# KiCad board rev6.0_flat_powerstage.kicad_pcb (continued)
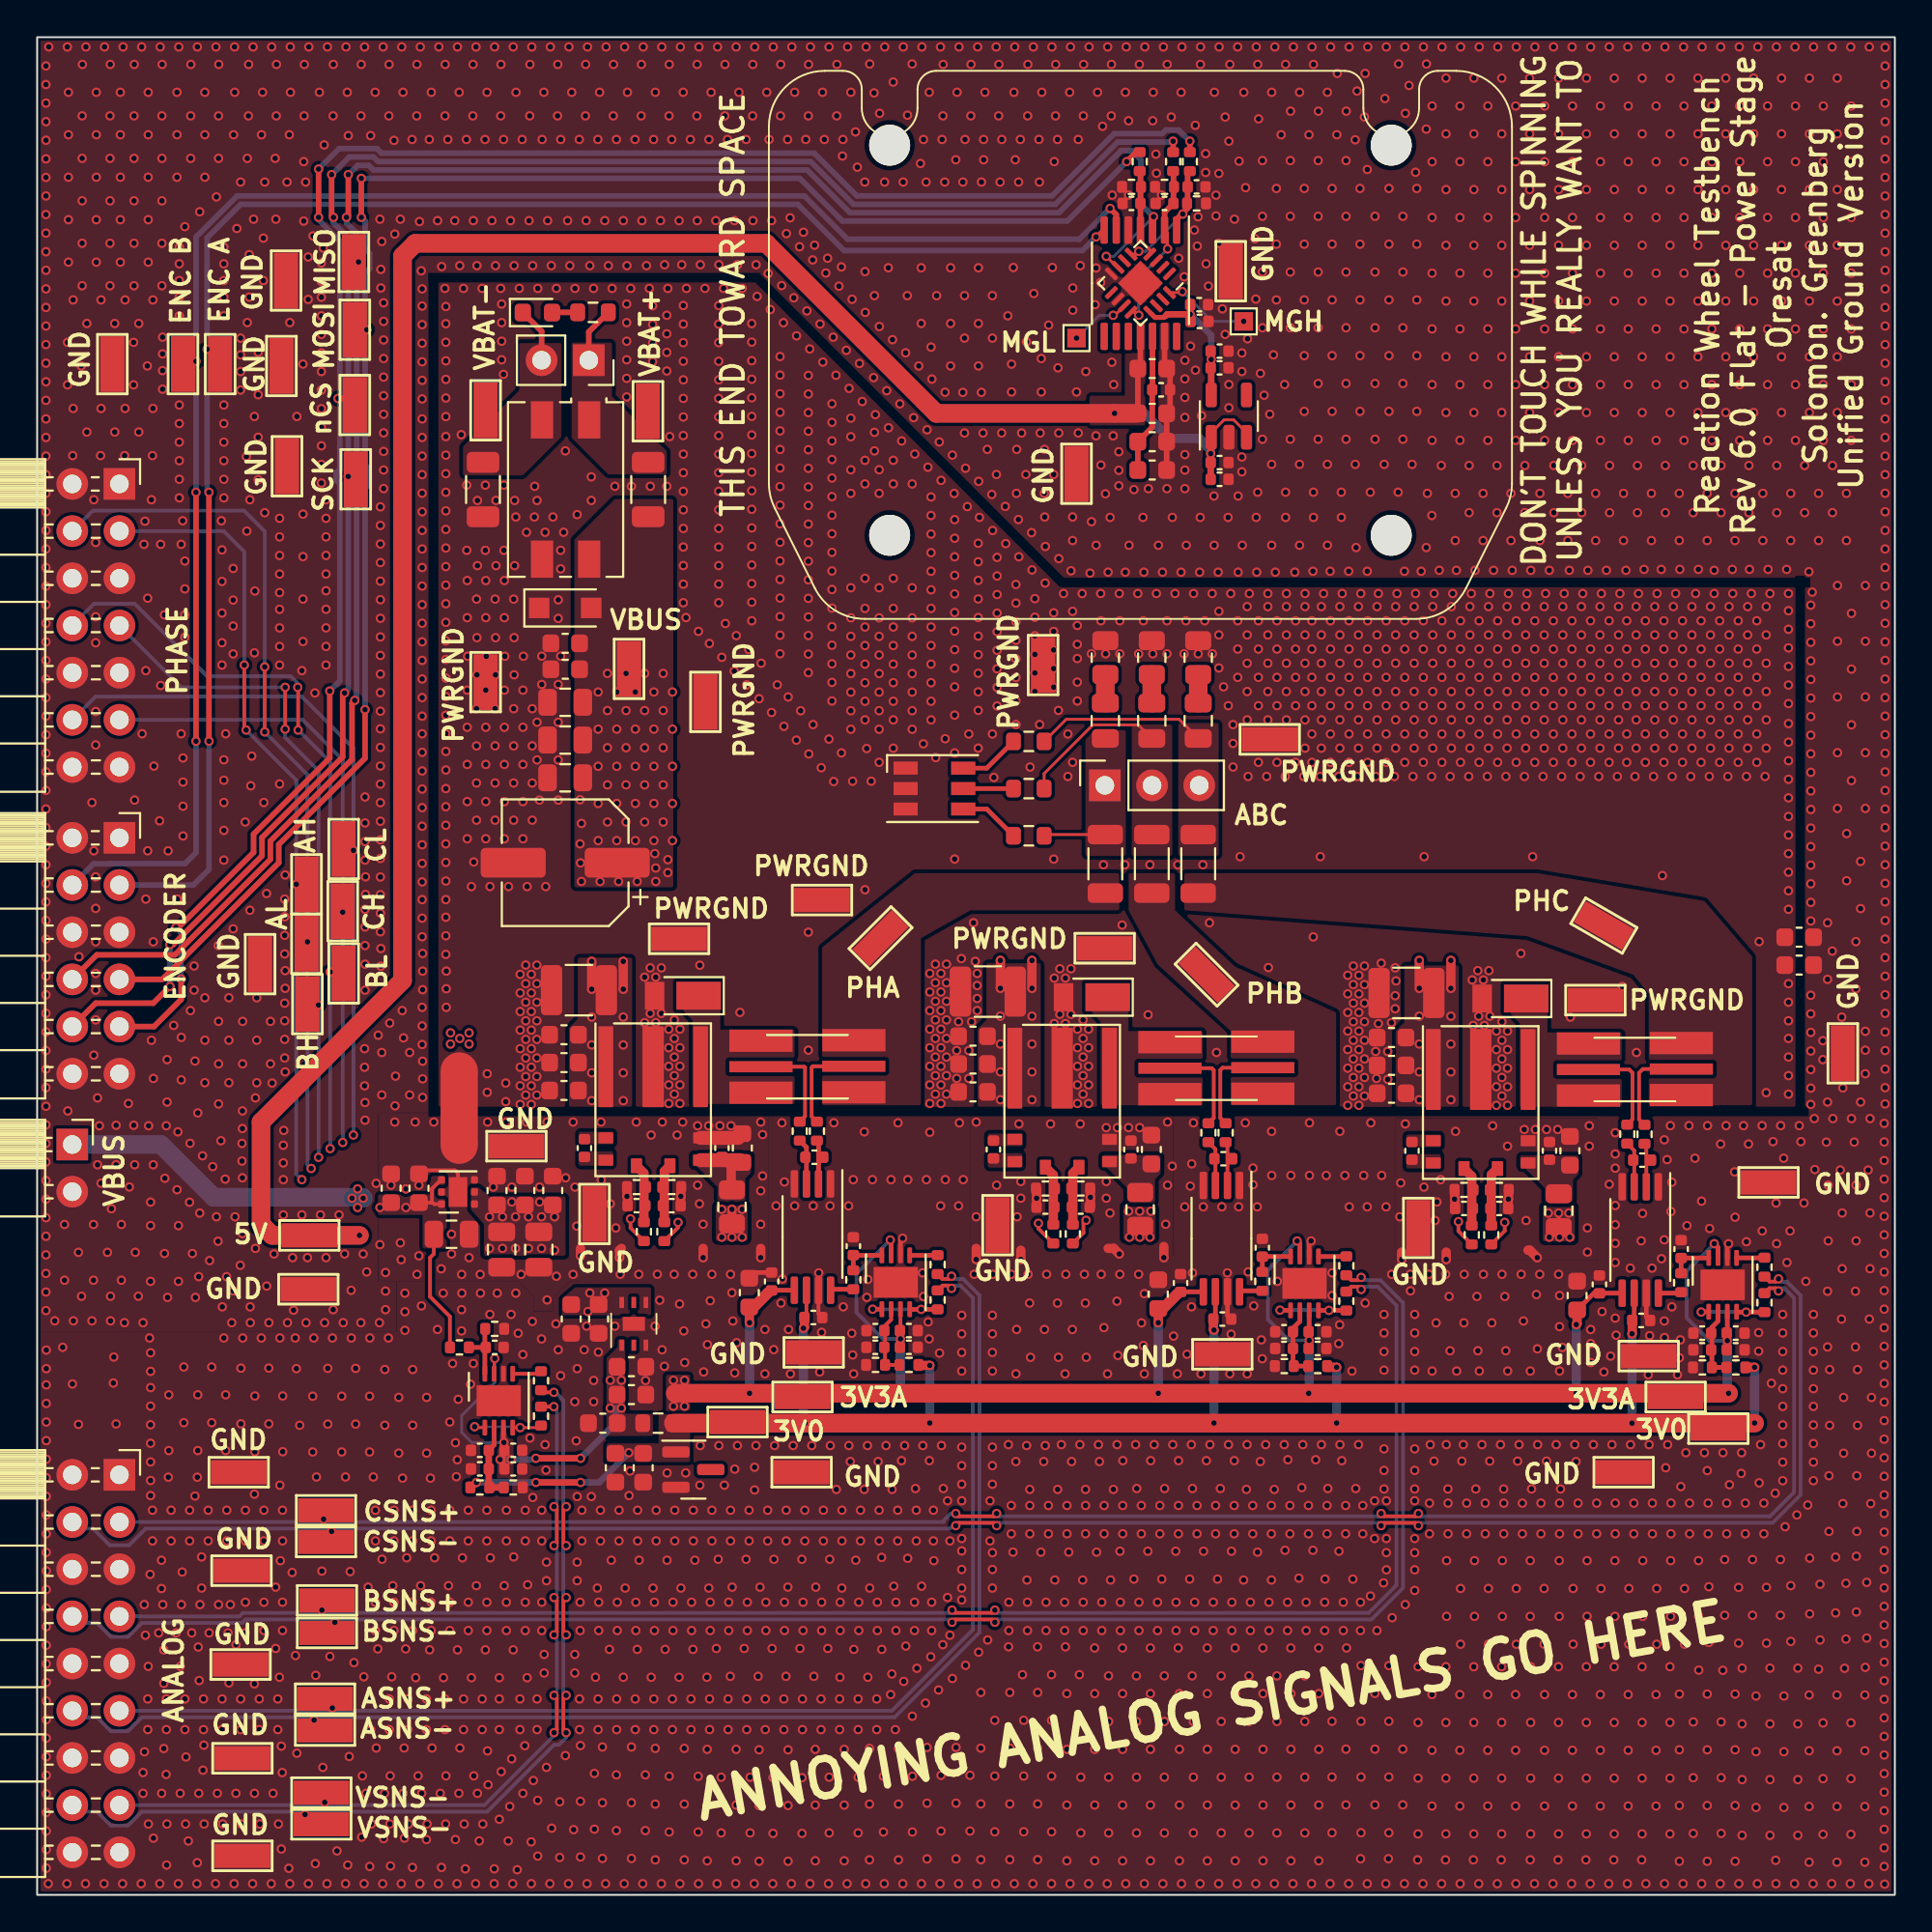
[diagram p0: board, top side]
## Routing (per net, layer and track width the routed paths; a pad name or vN(x,y) marks a point on that pad's centre or on a via; arc(x,y) is an arc through that point) (continued)
VBUS: length 52.5
  Top w0.2: 21.25,37.3 21.36,37.19 U4.6 ; 21.25,37.3 21.21,37.26 C40.1 ; 21.25,37.3 21.25,38.01 21.73,38.49 U4.4 ; R6.1 22.22,31.13 21.15,32.2 21.15,34.3 21.35,34.5 C34.1
  Top w0.5: v1(53.55,50.3) v1(53.55,48.8) ; v1(74.4,50.3) v1(74.4,48.8) ; v1(76.1,48.8) v1(76.1,50.3) ; v1(29.85,50.25) v1(29.85,48.75) ; v1(51.85,50.3) v1(51.85,48.8) ; v1(31.55,50.25) v1(31.55,48.75)
  In1.Cu w0.5: v1(22.25,46.4) v1(23.25,46.4) v1(23.25,45.8) v1(22.25,45.8) v1(22.25,46.4)
  In1.Cu w1: v1(22.75,46.1) 22.75,38.7 21.05,37 18.05,37 v1(17.55,37.5) v1(16.95,37.5)
  Bottom w1: J3.1 6.66,40.39 9.5,37.55 17.5,37.55 v1(17.55,37.5)
  vias: v1(17.25,38) v1(17.25,37) v1(18.45,37) v1(19.85,37) v1(29.22,58.95) v1(29.3,57.67) v1(29.22,56.58) v1(29.25,55.55) v1(29.3,54.55) v1(29.85,47.25) v1(29.85,45.75) v1(29.85,44.25) v1(29.85,42.75) v1(30.2,64.75) v1(30.2,62.75) v1(30.2,60.75) v1(30.2,58.75) v1(30.2,56.75) v1(30.3,54.55) v1(30.7,65.75) v1(30.7,63.75) v1(30.7,61.75) v1(30.7,59.75) v1(30.7,57.75) v1(31.2,64.75) v1(31.2,62.75) v1(31.2,60.75) v1(31.2,58.75) v1(31.2,56.75) v1(31.3,54.55) v1(31.55,47.25) v1(31.55,45.75) v1(31.55,44.25) v1(31.55,42.75) v1(31.7,65.75) v1(31.7,63.75) v1(31.7,61.75) v1(31.7,59.75) v1(31.7,57.75) v1(32.2,64.75) v1(32.2,62.75) v1(32.2,60.75) v1(32.2,58.75) v1(32.2,56.75) v1(32.3,54.55) v1(32.7,65.75) v1(32.7,63.75) v1(32.7,61.75) v1(32.7,59.75) v1(32.7,57.75) v1(33.2,64.75) v1(33.2,62.75) v1(33.2,60.75) v1(33.2,58.75) v1(33.2,56.75) v1(33.25,56.05) v1(33.3,55.27) v1(33.3,54.55) v1(33.7,65.75) v1(33.7,63.75) v1(33.7,61.75) v1(33.7,59.75) v1(33.7,57.75) v1(33.95,55.73) v1(33.95,55.02) v1(34.2,64.75) v1(34.2,62.75) v1(34.2,60.75) v1(34.2,58.75) v1(34.2,56.75) v1(51.85,47.3) v1(51.85,45.8) v1(51.85,44.3) v1(51.85,42.8) v1(53.55,47.3) v1(53.55,45.8) v1(53.55,44.3) v1(53.55,42.8) v1(74.4,47.3) v1(74.4,45.8) v1(74.4,44.3) v1(74.4,42.8) v1(76.1,47.3) v1(76.1,45.8) v1(76.1,44.3) v1(76.1,42.8)
/CLK_AS: length 9.2
  Top w0.152: v1(60.85,88.6) 60.85,89.46 U1.2 ; v1(59.3,85.03) 59.14,85.19 U13.12
  Top w0.3: U1.2 60.69,90.57 C3.1 61.17,92.8 61.15,92.82
  Bottom w0.152: v1(59.3,85.03) 59.3,87.05 v1(60.85,88.6)
/CS_AS: length 7.2
  Top w0.152: U13.5 59.15,88.32 v1(59.3,88.47)
  Top w0.3: 62.05,92.82 61.93,92.7 C1.1 61.93,90.8 61.34,90.21 U1.1
  Bottom w0.152: v1(59.3,88.47) 59.66,88.47 v1(61.67,90.48)
/ENC_A: length 90.8
  Top w0.152: v1(9.15,83.2) 9.15,83.1 TP28.1
  Top w0.3: v1(57,89.25) 57.07,89.25 U1.7 ; v1(9.25,75.5) v1(9.25,62.1)
  Bottom w0.3: v1(9.25,75.5) 9.15,75.6 9.15,89.2 10.95,91 40.95,91 43.44,88.51 56.27,88.51 v1(57,89.25) ; v1(9.25,62.1) 9.25,55.2 8.41,54.36 J2.3
/ENC_B: length 94.4
  Top w0.152: TP29.1 8,82.55 v1(8.55,82.55)
  Top w0.3: v1(8.55,75.5) v1(8.55,62.1) ; U1.6 58.09,90.45 v1(57.76,90.78)
  Bottom w0.3: v1(57.76,90.78) 56.09,89.12 43.63,89.12 41.3,91.45 10.76,91.45 8.55,89.24 v1(8.55,75.5) ; J2.4 3.03,55.5 3.95,55.5 3.95,55.51 7.96,55.51 8.55,56.1 v1(8.55,62.1)
/MGH: length 4.7
  Top w0.152: U13.16 61.6,86.25 v1(61.65,86.3)
  Bottom w0.152: v1(61.65,86.3) 63.25,84.7 v1(64.95,84.7)
/MGL: length 3.3
  Top w0.152: v1(57.92,85.03) 58.02,85.03 U13.11
  Bottom w0.152: v1(57.92,85.03) 57.18,85.03 v1(55.95,83.8)
/MOSI_AS: length 4.8
  Top w0.152: U13.4 59.89,88.56 59.35,89.1 59.35,89.58 U1.4
  Top w0.3: U1.4 59.39,92.78 59.35,92.82
/PHA_FLT: length 3.3
  Top w0.152: R64.1 54.27,57.08 FB1.2
/PHA_ISNS: length 2.4
  Top w0.25: U3.8 43.95,34.42 C32.1 R21.1
/PHA_ISNS+: length 68.2
  Top w0.2: v1(49.22,32.65) 49.07,32.8 48.74,32.8 R23.2
  Bottom w0.2: 15.74,9.91 J5.11 ; 15.74,9.91 v1(15.89,10.06) ; 15.74,9.91 46.01,9.91 50.37,14.27 50.37,32.13 49.7,32.8 49.37,32.8 v1(49.22,32.65)
/PHA_ISNS-: length 72.1
  Top w0.2: R22.2 48.74,33.15 49.07,33.15 v1(49.22,33.3)
  Bottom w0.2: v1(49.22,33.3) 49.37,33.15 49.85,33.15 50.73,32.27 50.73,14.13 46.16,9.56 14.91,9.56 ; 2.24,9.56 3.22,9.56 3.97,8.81 4.89,8.81 5.64,9.56 14.91,9.56 ; 14.91,9.56 v1(14.91,9.41)
/PHA_SNS+: length 5.3
  Top w0.2: R34.3 41.76,44.6 41.69,44.53 41.69,41.91 R48.1
/PHA_SNS-: length 5.4
  Top w0.2: R32.1 41.34,41.91 41.34,44.53 41.29,44.58 R34.2
/PHAH: length 65.3
  Top w0.2: v1(11.25,62.7) 11.15,62.8 v1(11.15,66.2) ; v1(31.94,36.39) 31.94,35.91 R10.1
  In2.Cu w0.2: v1(31.94,36.39) 32.14,36.39 32.95,37.2 32.95,37.9 32.31,38.54 31.71,38.54 31.11,39.14 18.03,39.14 17.78,38.89 15.9,38.89 15.5,38.5 v1(14.25,38.5)
  Bottom w0.2: v1(11.15,66.2) 11.15,72.3 10.04,73.41 J1.3 ; v1(14.25,38.5) 13.95,38.8 v1(13.95,54.4) 13.95,60 v1(11.25,62.7)
/PHAL: length 70.1
  Top w0.2: v1(34.5,36.2) 34.5,35.93 R11.1 ; v1(12.25,62.6) v1(12.25,66.1)
  In2.Cu w0.2: v1(34.5,36.2) 33.75,36.95 33.75,38.5 33.36,38.89 31.86,38.89 31.26,39.49 17.89,39.49 17.64,39.24 15.75,39.24 15.61,39.1 v1(14.75,39.1)
  Bottom w0.2: v1(12.25,66.1) 12.25,73.4 11.14,74.51 3.06,74.51 3.05,74.5 2.98,74.5 J1.4 ; v1(14.75,39.1) 14.55,39.3 14.55,60.3 v1(12.25,62.6)
  vias: v1(14.55,51.3)
/PHB_FLT: length 8
  Top w0.152: C90.1 59.27,62.98 56.83,62.98 54.2,60.36 R63.1
/PHB_ISNS: length 2.3
  Top w0.25: R53.1 C62.1 65.96,34.36 U6.8
/PHB_ISNS+: length 88.3
  Top w0.2: v1(71.27,32.59) 71.12,32.74 70.74,32.74 R36.2 ; v1(51.55,15.33) 51.4,15.18 49.4,15.18 v1(49.25,15.33)
  Bottom w0.2: J5.7 10.89,14.99 11.08,15.18 15.48,15.18 ; 15.48,15.18 49.1,15.18 v1(49.25,15.33) ; 15.48,15.18 v1(15.33,15.33) ; v1(71.27,32.59) 71.42,32.74 72.16,32.74 73.17,31.73 73.17,16.67 71.68,15.18 51.7,15.18 v1(51.55,15.33)
/PHB_ISNS-: length 92.2
  Top w0.2: v1(49.25,14.67) 49.4,14.82 51.4,14.82 v1(51.55,14.67) ; v1(71.27,33.24) 71.12,33.09 70.74,33.09 R35.2
  Bottom w0.2: 15.98,14.82 49.1,14.82 v1(49.25,14.67) ; 15.98,14.82 11.22,14.82 11.04,14.64 5.64,14.64 4.89,13.89 3.97,13.89 3.22,14.64 2.24,14.64 ; 15.98,14.82 15.98,14.72 v1(16.03,14.67) ; v1(71.27,33.24) 71.42,33.09 72.31,33.09 73.53,31.87 73.53,16.53 71.82,14.82 51.7,14.82 v1(51.55,14.67)
/PHB_SNS+: length 5.3
  Top w0.2: R61.3 63.81,44.52 63.69,44.4 63.69,41.82 R65.1
/PHB_SNS-: length 5.4
  Top w0.2: R61.2 63.23,44.5 63.34,44.39 63.34,41.82 R54.1
/PHBH: length 81.8
  Top w0.152: TP36.1 15.1,47.95 v1(15.15,47.9)
  Top w0.2: v1(13.35,62.75) v1(13.35,65) ; v1(53.9,36.15) 53.9,35.87 54.7,35.06
  In2.Cu w0.2: v1(15.15,39.7) 15.18,39.67 15.52,39.67 15.59,39.6 17.49,39.6 17.74,39.84 31.4,39.84 32,39.25 54.5,39.25 54.85,38.9 54.85,37.1 v1(53.9,36.15)
  Bottom w0.2: v1(13.35,62.75) 13.35,62.3 15.15,60.5 v1(15.15,47.9) v1(15.15,39.7) ; J1.7 7.76,65 v1(13.35,65)
/PHBL: length 85.4
  Top w0.2: 55.75,35.06 56.32,35.64 56.32,36.17 v1(56.46,36.31) ; v1(14.05,62.7) 14.05,64.98 v1(14.03,65)
  In2.Cu w0.2: v1(15.77,40.17) 15.99,39.95 17.35,39.95 17.6,40.2 31.56,40.2 31.75,40 31.75,39.99 32.15,39.6 55.15,39.6 55.75,39 55.75,37.03 v1(56.46,36.31)
  Bottom w0.2: v1(14.05,62.7) 15.77,60.98 v1(15.77,49.68) v1(15.77,40.17) ; v1(14.03,65) 14.03,65.22 13.65,65.6 9.15,65.6 5.25,69.5 3.06,69.5 J1.8
/PHC_FLT: length 9.2
  Top w0.152: R62.1 55.4,63.28 61.47,63.28 C89.1
/PHC_ISNS: length 2.3
  Top w0.25: R67.1 C86.1 89.97,34.28 U8.8
/PHC_ISNS+: length 104.2
  Top w0.2: v1(72.35,20.53) 72.5,20.38 74.2,20.38 v1(74.35,20.53) ; v1(93.74,32.51) 93.59,32.66 93.25,32.66 R51.2 ; v1(51.65,20.53) 51.5,20.38 49.6,20.38 v1(49.45,20.53)
  Bottom w0.2: 15.68,20.07 J5.3 ; 15.68,20.07 48.8,20.07 48.8,20.14 49.18,20.53 v1(49.45,20.53) ; 15.68,20.07 15.57,20.07 v1(15.42,20.22) ; v1(74.35,20.53) 74.5,20.38 93.28,20.38 94.57,21.67 94.57,32.13 94.04,32.66 93.89,32.66 v1(93.74,32.51) ; v1(51.65,20.53) 51.8,20.38 72.2,20.38 v1(72.35,20.53)
/PHC_ISNS-: length 108.1
  Top w0.2: v1(93.74,33.16) 93.59,33.01 93.25,33.01 R50.2 ; v1(72.35,19.87) 72.5,20.02 74.2,20.02 v1(74.35,19.87) ; v1(51.65,19.87) 51.5,20.02 49.6,20.02 v1(49.45,19.87)
  Bottom w0.2: 2.24,19.72 3.01,19.72 3.91,18.82 4.95,18.82 5.85,19.72 15.58,19.72 ; v1(49.45,19.87) 49.3,19.87 49.14,19.72 15.58,19.72 ; 15.58,19.72 15.7,19.72 v1(15.85,19.57) ; v1(93.74,33.16) 93.89,33.01 94.19,33.01 94.93,32.27 94.93,21.53 93.42,20.02 74.5,20.02 v1(74.35,19.87) ; v1(72.35,19.87) 72.2,20.02 51.8,20.02 v1(51.65,19.87)
/PHC_SNS+: length 5.3
  Top w0.2: R70.1 86.23,41.74 86.23,44.25 86.43,44.45 R69.3
/PHC_SNS-: length 5.3
  Top w0.2: R69.2 85.7,44.43 85.88,44.25 85.88,41.74 R68.1
/PHCH: length 100.1
  Top w0.2: R38.1 76.51,35.73 v1(76.51,36.24)
  In2.Cu w0.2: v1(76.51,36.24) 76.69,36.24 77.25,36.8 77.25,39.5 76.8,39.95 32.3,39.95 32.3,39.95 31.7,40.55 17.45,40.55 17.2,40.3 16.65,40.3 v1(16.45,40.5)
  Bottom w0.2: v1(16.45,40.5) v1(16.45,52.9) 16.45,61.1 14.3,63.25 J1.11
/PHCL: length 104.9
  Top w0.2: R39.1 79,35.74 v1(79,36.2)
  In2.Cu w0.2: v1(79,36.2) 78.55,36.2 78.15,36.6 78.15,39.8 77.65,40.3 32.45,40.3 31.85,40.9 v1(17.02,40.9)
  Bottom w0.2: J1.12 3.14,64.5 14.25,64.5 17.02,61.73 v1(17.02,56.22) v1(17.02,40.9)
/SPI_MISO: length 107.2
  Top w0.152: v1(57.55,88.2) 58.14,87.61 U13.7
  Top w0.3: J2.8 3.21,50.6 7.41,50.6 12.55,55.74 12.55,56.73 16.95,61.12 16.95,64.15 v1(17.1,64.3) ; v1(16.65,90.3) 16.75,90.4 v1(16.75,92.6) ; v1(60.1,90.34) 60.1,89.67 U1.3
  Bottom w0.152: v1(57.55,88.2) 57.96,88.2 v1(60.1,90.34)
  Bottom w0.3: v1(17.1,64.3) 17.2,64.4 17.2,76 17.35,76.15 17.35,76.65 17.2,76.8 17.2,88.6 ; 17.2,88.6 17.2,89.45 16.65,90 v1(16.65,90.3) ; 17.2,88.6 17.2,88 v1(17.3,87.9) ; v1(60.1,90.34) 59.4,91.03 59.4,93.42 58.92,93.9 58.35,93.9 55,90.55 43.75,90.55 41.45,92.85 18.1,92.85 17.85,93.1 17.25,93.1 v1(16.75,92.6)
/SPI_MOSI: length 95.5
  Top w0.3: v1(17.45,92.4) v1(17.45,90.3) ; 59.35,93.78 59.13,93.78 v1(58.65,93.3) ; v1(17.75,84.25) TP23.1 ; v1(17.65,63.8) 17.65,61.18 13.01,56.54 13.01,55.56 6.73,49.28 J2.7
  Bottom w0.3: v1(17.45,90.3) 17.65,90.1 17.65,88.6 17.9,88.35 17.9,87.55 17.65,87.3 17.65,84.35 v1(17.75,84.25) 17.65,84.15 17.65,76.99 17.8,76.84 17.8,75.85 17.65,75.7 v1(17.65,63.8) ; v1(58.65,93.3) 55.45,90.1 43.35,90.1 41.05,92.4 v1(17.45,92.4)
/SPI_nCS: length 105
  Top w0.3: J2.9 6.29,46.74 7.75,48.2 v1(7.75,49.3) ; 62.05,93.78 v1(62.05,94.4) ; v1(7.47,52.08) 7.61,52.08 11.65,56.12 11.65,57.1 15.75,61.2 v1(15.75,64.8) ; v1(15.15,92.9) v1(15.15,90.3) ; v1(16.19,80.55) 16.75,80.55 TP26.1
  Bottom w0.3: v1(7.47,52.08) 7.75,51.8 v1(7.75,49.3) ; v1(62.05,94.4) 61.45,95 60.75,95 60.55,94.8 57.98,94.8 54.63,91.46 44.12,91.46 41.82,93.76 18.54,93.76 18.29,94 16.25,94 v1(15.15,92.9) ; v1(15.75,64.8) 16.29,65.34 16.29,75.96 16.1,76.15 16.1,76.55 16.29,76.74 16.29,80.45 v1(16.19,80.55) 16.29,80.65 16.29,89.02 15.15,90.16 v1(15.15,90.3)
/SPI_SCK: length 103.1
  Top w0.3: J2.10 3.15,48 6.25,48 v1(7.15,48.9) ; v1(15.85,92.6) 15.85,90.4 v1(15.95,90.3) ; v1(16.55,64.7) 16.45,64.6 16.45,61.26 12.1,56.91 12.1,55.93 7.32,51.15 v1(7.14,51.15) ; 61.15,93.78 v1(61.15,94.4)
  Bottom w0.3: v1(7.14,51.15) 7.14,48.91 v1(7.15,48.9) ; v1(16.55,64.7) 16.75,64.9 v1(16.75,76.35) 16.75,89.2 15.95,90 v1(15.95,90.3) ; v1(15.85,92.6) 16.8,93.55 18.1,93.55 18.35,93.3 41.64,93.3 43.94,91 54.81,91 58.16,94.35 61.1,94.35 v1(61.15,94.4)
PWRGND:
  vias: v1(21.95,86.47) v1(22,85.5) v1(22,84.58) v1(22,83.58) v1(22,82.58) v1(22,81.58) v1(22,80.58) v1(22,79.58) v1(22,78.5) v1(22,77.5) v1(22,76.5) v1(22,75.5) v1(22,74.5) v1(22,73.5) v1(22,72.5) v1(22,71.5) v1(22,70.5) v1(22,69.5) v1(22,68.5) v1(22,67.5) v1(22,66.5) v1(22,65.5) v1(22,64.5) v1(22,63.5) v1(22,62.5) v1(22,61.55) v1(22,60.55) v1(22,59.55) v1(22,58.58) v1(22,57.58) v1(22,56.58) v1(22,55.58) v1(22,54.58) v1(22,53.58) v1(22,52.62) v1(22,51.62) v1(22,50.62) v1(22.02,49.73) v1(22.02,48.77) v1(22.02,47.77) v1(22.83,78.6) v1(22.95,86.47) v1(23.12,75.89) v1(23.12,72.38) v1(23.15,70.75) v1(23.15,68.75) v1(23.17,66.67) v1(23.15,64.85) v1(23.15,62.85) v1(23.15,60.85) v1(23.15,58.85) v1(23.15,56.85) v1(23.38,54.27) v1(23.5,55.6) v1(23.65,69.75) v1(23.67,67.67) v1(23.67,65.67) v1(23.65,63.85) v1(23.65,61.85) v1(23.65,59.85) v1(23.65,57.85) v1(23.7,75.06) v1(23.7,71.55) v1(23.95,86.47) v1(24.12,75.89) v1(24.12,72.38) v1(24.15,70.75) v1(24.15,68.75) v1(24.17,66.67) v1(24.15,64.85) v1(24.15,62.85) v1(24.15,60.85) v1(24.15,58.85) v1(24.15,56.85) v1(24.23,44.2) v1(24.23,43.2) v1(24.38,54.27) v1(24.65,69.75) v1(24.67,67.67) v1(24.67,65.67) v1(24.65,63.85) v1(24.65,61.85) v1(24.65,59.85) v1(24.65,57.85) v1(24.7,75.06) v1(24.7,71.55) v1(24.95,86.47) v1(25,85.63) v1(25,84.63) v1(25,83.63) v1(25,82.63) v1(25.1,81.85) v1(25.12,75.89) v1(25.12,72.38) v1(25.15,70.75) v1(25.15,68.75) v1(25.17,66.67) v1(25.15,64.85) v1(25.15,62.85) v1(25.15,60.85) v1(25.15,58.85) v1(25.15,56.85) v1(25.23,43.7) v1(25.23,42.7) v1(25.38,54.27) v1(25.65,69.75) v1(25.67,67.67) v1(25.67,65.67) v1(25.65,63.85) v1(25.65,61.85) v1(25.65,59.85) v1(25.65,57.85) v1(25.7,75.06) v1(25.77,74.17) v1(25.7,71.55) v1(25.95,86.47) v1(26,49.55) v1(26,48.55) v1(26,47.55) v1(26,46.55) v1(26,45.55) v1(26,44.55) v1(26,43.55) v1(26,42.55) v1(26.17,66.67) v1(26.15,64.85) v1(26.15,62.85) v1(26.15,60.85) v1(26.15,58.85) v1(26.15,56.85) v1(26.3,50.05) v1(26.3,49.05) v1(26.3,48.05) v1(26.3,47.05) v1(26.3,46.05) v1(26.3,45.05) v1(26.3,44.05) v1(26.3,43.05) v1(26.34,73.35) v1(26.38,54.27) v1(26.6,49.55) v1(26.6,48.55) v1(26.6,47.55) v1(26.6,46.55) v1(26.6,45.55) v1(26.6,44.55) v1(26.6,43.55) v1(26.6,42.55) v1(26.65,63.85) v1(26.65,61.85) v1(26.65,59.85) v1(26.65,57.85) v1(26.78,75.82) v1(26.77,74.17) v1(26.95,86.47) v1(26.91,75.06) v1(26.91,63.12) v1(26.91,61.09) v1(26.9,50.05) v1(26.9,49.05) v1(26.9,48.05) v1(26.9,47.05) v1(26.9,46.05) v1(26.9,45.05) v1(26.9,44.05) v1(26.9,43.05) v1(27.04,58.93) v1(27.16,66.68) v1(27.16,65.16) v1(27.34,73.35) v1(27.38,54.27) v1(27.77,74.17) v1(27.95,86.47) v1(28.05,69.71) v1(28.05,68.71) v1(28.05,65.16) v1(28.05,63.12) v1(28.05,61.09) v1(28.05,58.93) v1(28.18,72.38) v1(28.18,71.38) v1(28.18,66.68) v1(28.34,73.35) v1(28.43,77.73) v1(28.95,86.47) v1(29.07,74.3) v1(29.83,76.33) v1(29.83,75.06) v1(29.95,86.47) v1(30.95,86.47) v1(31.1,75.82) v1(31.73,85.63) v1(31.73,84.63) v1(31.73,83.63) v1(31.73,82.63) v1(31.73,81.63) v1(31.73,80.63) v1(31.95,86.47) v1(31.99,75.82) v1(32.7,49.4) v1(32.7,46.95) v1(32.95,86.47) v1(33,75.82) v1(33,49.9) v1(33,47.45) v1(33.13,85.54) v1(33.13,84.54) v1(33.13,83.54) v1(33.13,82.54) v1(33.3,49.4) v1(33.3,46.95) v1(33.6,49.9) v1(33.6,47.45) v1(33.89,85.03) v1(33.89,84.03) v1(33.89,83.03) v1(33.89,82.03) v1(33.89,75.82) v1(33.95,86.47) v1(34.05,78.5) v1(34,46.6) v1(34,45.6) v1(34,44.6) v1(34,43.6) v1(34,42.6) v1(34.3,47.1) v1(34.3,46.1) v1(34.3,45.1) v1(34.3,44.1) v1(34.3,43.1) v1(34.6,46.6) v1(34.6,45.6) v1(34.6,44.6) v1(34.6,43.6) v1(34.6,42.6) v1(34.78,85.55) v1(34.78,84.55) v1(34.78,83.55) v1(34.78,82.55) v1(34.78,81.55) v1(34.78,80.55) v1(34.78,79.55) v1(34.78,78.55) v1(34.78,77.55) v1(34.78,76.55) v1(34.78,75.55) v1(34.78,74.55) v1(34.78,73.55) v1(34.78,72.55) v1(34.78,71.55) v1(34.78,70.55) v1(34.78,69.55) v1(34.95,86.47) v1(34.93,68.76) v1(35.6,68.01) v1(35.67,50.04) v1(35.95,86.47) v1(36.19,67.36) v1(36.69,85.55) v1(36.69,84.55) v1(36.69,83.55) v1(36.69,82.55) v1(36.69,81.55) v1(36.69,80.55) v1(36.69,79.55) v1(36.69,78.55) v1(36.69,77.55) v1(36.69,76.55) v1(36.69,75.55) v1(36.69,74.55) v1(36.69,73.55) v1(36.69,72.55) v1(36.69,71.55) v1(36.69,70.55) v1(36.69,69.55) v1(36.85,66.62) v1(36.95,86.47) v1(37.05,68.44) v1(37.52,65.87) v1(37.64,67.78) v1(37.83,47.5) v1(37.95,86.47) v1(38.19,65.13) v1(38.3,67.04) v1(38.47,84.58) v1(38.47,83.58) v1(38.47,82.58) v1(38.47,81.58) v1(38.47,80.58) v1(38.47,79.58) v1(38.47,78.58) v1(38.47,77.58) v1(38.47,76.58) v1(38.47,75.58) v1(38.47,74.58) v1(38.47,73.58) v1(38.47,72.58) v1(38.47,71.58) v1(38.47,70.58) v1(38.47,69.58) v1(38.47,68.58) v1(38.76,86.04) v1(38.86,64.39) v1(38.97,66.3) v1(39.46,85.34) v1(39.53,63.64) v1(39.84,65.13) v1(39.99,82.81) v1(39.99,81.81) v1(39.99,80.81) v1(39.99,79.81) v1(39.99,78.81) v1(39.99,77.81) v1(39.99,76.81) v1(39.99,75.81) v1(39.99,74.81) v1(39.99,73.81) v1(39.99,72.81) v1(39.99,71.81) v1(39.99,70.81) v1(39.99,69.81) v1(39.99,68.81) v1(39.99,67.81) v1(39.99,66.81) v1(40.17,84.63) v1(40.2,62.9) v1(40.43,64.48) v1(40.88,83.92) v1(40.87,62.16) v1(41.1,63.74) v1(41.59,83.21) v1(41.51,81.79) v1(41.51,80.79) v1(41.51,79.79) v1(41.51,78.79) v1(41.51,77.79) v1(41.51,76.79) v1(41.51,75.79) v1(41.51,74.79) v1(41.51,73.79) v1(41.51,72.79) v1(41.51,71.79) v1(41.51,70.79) v1(41.51,69.79) v1(41.51,68.79) v1(41.51,67.79) v1(41.51,66.79) v1(41.51,65.79) v1(41.54,61.42) v1(41.51,51.82) v1(41.51,45.47) v1(41.77,63) v1(42.29,82.51) v1(42.21,60.67) v1(42.62,62.22) v1(42.78,80.27) v1(42.78,79.27) v1(42.78,78.27) v1(42.78,77.27) v1(42.78,76.27) v1(42.78,75.27) v1(42.78,74.27) v1(42.78,73.27) v1(42.78,72.27) v1(42.78,71.27) v1(42.78,70.27) v1(42.78,69.27) v1(42.78,68.27) v1(42.78,67.27) v1(42.78,66.27) v1(42.78,65.27) v1(42.78,64.27) v1(42.88,59.93) v1(43,81.8) v1(43.29,61.47) v1(43.71,81.09) v1(43.8,79.49) v1(43.8,78.49) v1(43.8,76.71) v1(43.8,75.44) v1(43.8,70.36) v1(43.8,68.74) v1(43.8,67.74) v1(43.8,66.74) v1(43.8,65.74) v1(43.8,64.74) v1(43.8,63.74) v1(43.8,62.74) v1(43.9,59.95) v1(44.41,80.39) v1(44.56,77.22) v1(44.56,75.95) v1(44.56,70.87) v1(44.56,69.25) v1(44.56,68.25) v1(44.56,67.25) v1(44.56,66.25) v1(44.56,65.25) v1(44.56,64.25) v1(44.56,63.25) v1(44.56,54.11) v1(44.65,61.71) v1(44.9,59.95) v1(45.07,78.73) v1(45.07,77.73) v1(45.12,79.68) v1(45.32,76.71) v1(45.32,75.44) v1(45.32,70.36) v1(45.32,68.74) v1(45.32,67.74) v1(45.32,66.74) v1(45.32,65.74) v1(45.32,64.74) v1(45.32,63.74) v1(45.32,62.74) v1(45.32,60.96) v1(45.83,78.97) v1(46.09,77.22) v1(46.09,75.95) v1(46.09,70.87) v1(46.09,69.25) v1(46.09,68.25) v1(46.09,67.25) v1(46.09,66.25) v1(46.09,65.25) v1(46.09,64.25) v1(46.09,63.25) v1(46.09,61.73) v1(46.54,78.26) v1(47.1,75.95) v1(47.1,70.36) v1(47.1,68.74) v1(47.1,67.74) v1(47.1,66.74) v1(47.1,65.74) v1(47.1,64.74) v1(47.1,63.74) v1(47.1,62.74) v1(47.24,77.56) v1(47.7,61.96) v1(47.95,76.85) v1(48.05,49.6) v1(48.05,48.6) v1(48.05,47.6) v1(48.05,46.6) v1(48.05,45.6) v1(48.05,44.6) v1(48.05,43.6) v1(48.05,42.6) v1(48.12,75.25) v1(48.12,74.25) v1(48.12,73.25) v1(48.12,72.25) v1(48.12,71.25) v1(48.12,70.25) v1(48.12,69.25) v1(48.12,68.25) v1(48.12,67.25) v1(48.12,66.25) v1(48.12,65.25) v1(48.12,64.25) v1(48.12,63.25) v1(48.37,61.22) v1(48.35,50.1) v1(48.35,49.1) v1(48.35,48.1) v1(48.35,47.1) v1(48.35,46.1) v1(48.35,45.1) v1(48.35,44.1) v1(48.35,43.1) v1(48.66,76.14) v1(48.65,49.6) v1(48.65,48.6) v1(48.65,47.6) v1(48.65,46.6) v1(48.65,45.6) v1(48.65,44.6) v1(48.65,43.6) v1(48.65,42.6) v1(48.88,62.23) v1(48.95,50.1) v1(48.95,49.1) v1(48.95,48.1) v1(48.95,47.1) v1(48.95,46.1) v1(48.95,45.1) v1(48.95,44.1) v1(48.95,43.1) v1(49.36,75.44) v1(49.39,74.03) v1(49.39,73.03) v1(49.39,72.03) v1(49.39,71.03) v1(49.39,70.03) v1(49.39,69.03) v1(49.39,68.03) v1(49.39,67.03) v1(49.39,66.03) v1(49.39,65.03) v1(49.39,63.5) v1(49.39,61.47) v1(49.39,55.76) v1(49.5,45.45) v1(49.5,43.95) v1(49.6,47) v1(49.75,50.4) v1(50.07,74.73) v1(50.15,62.49) v1(50.15,45.45) v1(50.15,43.95) v1(50.3,47) v1(50.4,52.33) v1(50.5,50.25) v1(50.6,49.6) v1(50.6,48.95) v1(50.6,48.25) v1(50.6,47.6) v1(50.66,72.76) v1(50.66,71.76) v1(50.66,70.76) v1(50.66,69.76) v1(50.66,68.76) v1(50.66,67.76) v1(50.66,66.76) v1(50.66,65.76) v1(50.66,64.76) v1(50.66,63.76) v1(50.66,61.73) v1(50.73,74.15) v1(51.43,73.44) v1(51.42,62.49) v1(51.5,60.15) v1(51.67,72) v1(51.67,71) v1(51.67,70) v1(51.67,69) v1(51.67,68) v1(51.67,67) v1(51.67,66) v1(51.67,65) v1(51.67,64) v1(52.14,72.74) v1(52.69,70.54) v1(52.69,69.54) v1(52.69,68.54) v1(52.69,67.54) v1(52.69,66.54) v1(52.69,65.54) v1(52.69,64.27) v1(52.69,63) v1(52.85,72.03) v1(53.45,60.71) v1(53.55,71.32) v1(53.71,69.77) v1(53.71,68.77) v1(53.71,67.77) v1(53.71,66.77) v1(53.71,65.77) v1(53.71,64.77) v1(53.96,63) v1(54.26,70.61) v1(54.72,69.01) v1(54.72,68.01) v1(54.72,67.01) v1(54.72,66.01) v1(54.72,65.01) v1(54.72,55.76) v1(54.75,49.35) v1(54.75,46.9) v1(54.98,63.76) v1(55.05,49.85) v1(55.05,47.4) v1(55.25,70.05) v1(55.35,49.35) v1(55.35,46.9) v1(55.48,62.49) v1(55.48,60.2) v1(55.65,49.85) v1(55.65,47.4) v1(55.74,69.09) v1(55.74,60.96) v1(55.99,68.33) v1(55.99,67.31) v1(55.99,66.55) v1(55.99,65.28) v1(55.99,64.27) v1(56,46.6) v1(56,45.6) v1(56,44.6) v1(56,43.6) v1(56,42.6) v1(56.25,70.05) v1(56.3,47.1) v1(56.3,46.1) v1(56.3,45.1) v1(56.3,44.1) v1(56.3,43.1) v1(56.6,46.6) v1(56.6,45.6) v1(56.6,44.6) v1(56.6,43.6) v1(56.6,42.6) v1(56.75,66.81) v1(57.25,70.05) v1(57.26,68.58) v1(57.4,55.45) v1(57.52,66.81) v1(58.25,70.05) v1(58.28,68.58) v1(58.28,66.81) v1(58.41,52.2) v1(58.55,55.45) v1(59.25,70.05) v1(59.29,66.81) v1(59.55,68.58) v1(59.8,47.38) v1(59.9,55.45) v1(60.06,66.81) v1(60.25,70.05) v1(60.82,68.58) v1(60.82,66.81) v1(61.25,70.05) v1(61.4,55.45) v1(61.74,66.81) v1(61.83,68.58) v1(62.25,70.05) v1(62.5,66.81) v1(62.75,55.45) v1(62.85,68.58) v1(63.1,52.33) v1(63.25,70.05) v1(63.26,66.81) v1(63.48,45.34) v1(63.61,69.09) v1(63.61,67.82) v1(63.61,66.04) v1(63.87,65.03) v1(64.12,64.01) v1(64.25,70.05) v1(64.37,63) v1(64.37,61.98) v1(64.37,60.71) v1(64.63,68.58) v1(64.63,67.06) v1(64.63,65.54) v1(64.75,55.88) v1(65.14,69.35) v1(65.14,67.82) v1(65.14,66.3) v1(65.14,64.77) v1(65.14,63.25) v1(65.18,60.2) v1(65.25,70.05) v1(65.74,68.58) v1(65.74,67.06) v1(65.74,65.54) v1(65.74,64.01) v1(65.74,60.96) v1(66.18,60.2) v1(66.25,70.05) v1(66.25,69.35) v1(66.25,67.82) v1(66.25,66.3) v1(66.25,64.77) v1(66.25,63.25) v1(66.28,49.91) v1(66.74,68.58) v1(66.74,67.06) v1(66.74,65.54) v1(66.74,64.01) v1(66.74,60.96) v1(67.18,60.2) v1(67.25,70.05) v1(67.25,69.35) v1(67.25,67.82) v1(67.25,66.3) v1(67.25,64.77) v1(67.25,63.25) v1(67.74,68.58) v1(67.74,67.06) v1(67.74,65.54) v1(67.74,64.01) v1(67.74,60.96) v1(68.18,60.2) v1(68.25,70.05) v1(68.25,69.35) v1(68.25,67.82) v1(68.25,66.3) v1(68.25,64.77) v1(68.25,63.25) v1(68.25,61.73) v1(68.62,68.58) v1(68.62,67.06) v1(68.62,65.54) v1(68.62,64.01) v1(68.62,62.49) v1(68.62,60.96) v1(68.69,51.57) v1(69.06,60.2) v1(69.07,55.88) v1(69.13,69.35) v1(69.13,67.82) v1(69.13,66.3) v1(69.13,64.77) v1(69.13,63.25) v1(69.13,61.73) v1(69.25,70.05) v1(69.62,68.58) v1(69.62,67.06) v1(69.62,65.54) v1(69.62,64.01) v1(69.62,62.49) v1(69.62,60.96) v1(70.06,60.2) v1(70.13,69.35) v1(70.13,67.82) v1(70.13,66.3) v1(70.13,64.77) v1(70.13,63.25) v1(70.13,61.73) v1(70.25,70.05) v1(70.55,49.5) v1(70.55,48.5) v1(70.55,47.5) v1(70.55,46.5) v1(70.55,45.5) v1(70.55,44.5) v1(70.55,43.5) v1(70.55,42.5) v1(70.62,68.58) v1(70.62,67.06) v1(70.62,65.54) v1(70.62,64.01) v1(70.62,62.49) v1(70.62,60.96) v1(70.85,50) v1(70.85,49) v1(70.85,48) v1(70.85,47) v1(70.85,46) v1(70.85,45) v1(70.85,44) v1(70.85,43) v1(71.06,60.2) v1(71.13,69.35) v1(71.13,67.82) v1(71.13,66.3) v1(71.13,64.77) v1(71.13,63.25) v1(71.13,61.73) v1(71.15,49.5) v1(71.15,48.5) v1(71.15,47.5) v1(71.15,46.5) v1(71.15,45.5) v1(71.15,44.5) v1(71.15,43.5) v1(71.15,42.5) v1(71.25,70.05) v1(71.45,50) v1(71.45,49) v1(71.45,48) v1(71.45,47) v1(71.45,46) v1(71.45,45) v1(71.45,44) v1(71.45,43) v1(71.62,68.58) v1(71.62,67.06) v1(71.62,65.54) v1(71.62,64.01) v1(71.62,62.49) v1(71.62,60.96) v1(72.06,60.2) v1(72.05,45.4) v1(72.1,43.95) v1(72.13,69.35) v1(72.13,67.82) v1(72.13,66.3) v1(72.13,64.77) v1(72.13,63.25) v1(72.13,61.73) v1(72.2,70.05) v1(72.2,46.9) v1(72.35,50.15) v1(72.62,68.58) v1(72.62,67.06) v1(72.62,65.54) v1(72.62,64.01) v1(72.62,62.49) v1(72.62,60.96) v1(72.7,45.4) v1(72.7,43.9) v1(72.9,46.95) v1(73.06,60.2) v1(73.1,49.9) v1(73.1,48.4) v1(73.1,47.7) v1(73.13,69.35) v1(73.13,67.82) v1(73.13,66.3) v1(73.13,64.77) v1(73.13,63.25) v1(73.13,61.73) v1(73.15,49.2) v1(73.2,70.05) v1(73.62,68.58) v1(73.62,67.06) v1(73.62,65.54) v1(73.62,64.01) v1(73.62,62.49) v1(73.62,60.96) v1(74.06,60.2) v1(74.13,69.35) v1(74.13,67.82) v1(74.13,66.3) v1(74.13,64.77) v1(74.13,63.25) v1(74.13,61.73) v1(74.2,70.05) v1(74.62,68.58) v1(74.62,67.06) v1(74.62,65.54) v1(74.62,64.01) v1(74.62,62.49) v1(74.62,60.96) v1(74.66,55.88) v1(75.06,60.2) v1(75.13,69.35) v1(75.13,67.82) v1(75.13,66.3) v1(75.13,64.77) v1(75.13,63.25) v1(75.13,61.73) v1(75.2,70.05) v1(75.62,68.58) v1(75.62,67.06) v1(75.62,65.54) v1(75.62,64.01) v1(75.62,62.49) v1(75.62,60.96) v1(76.06,60.2) v1(76.13,69.35) v1(76.13,67.82) v1(76.13,66.3) v1(76.13,64.77) v1(76.13,63.25) v1(76.13,61.73) v1(76.2,70.05) v1(76.62,68.58) v1(76.62,67.06) v1(76.62,65.54) v1(76.62,64.01) v1(76.62,62.49) v1(76.62,60.96) v1(77.06,60.2) v1(77.13,69.35) v1(77.13,67.82) v1(77.13,66.3) v1(77.13,64.77) v1(77.13,63.25) v1(77.13,61.73) v1(77.2,70.05) v1(77.25,49.25) v1(77.3,46.8) v1(77.55,49.75) v1(77.6,47.3) v1(77.62,68.58) v1(77.62,67.06) v1(77.62,65.54) v1(77.62,64.01) v1(77.62,62.49) v1(77.62,60.96) v1(77.85,49.25) v1(77.9,46.8) v1(78.06,60.2) v1(78.13,69.35) v1(78.13,67.82) v1(78.13,66.3) v1(78.13,64.77) v1(78.13,63.25) v1(78.13,61.73) v1(78.15,49.75) v1(78.2,70.05) v1(78.2,47.3) v1(78.55,46.5) v1(78.55,45.5) v1(78.55,44.5) v1(78.55,43.5) v1(78.55,42.5) v1(78.62,68.58) v1(78.62,67.06) v1(78.62,65.54) v1(78.62,64.01) v1(78.62,62.49) v1(78.62,60.96) v1(78.85,47) v1(78.85,46) v1(78.85,45) v1(78.85,44) v1(78.85,43) v1(79.06,60.2) v1(79.13,69.35) v1(79.13,67.82) v1(79.13,66.3) v1(79.13,64.77) v1(79.13,63.25) v1(79.13,61.73) v1(79.15,46.5) v1(79.15,45.5) v1(79.15,44.5) v1(79.15,43.5) v1(79.15,42.5) v1(79.2,70.05) v1(79.62,68.58) v1(79.62,67.06) v1(79.62,65.54) v1(79.62,64.01) v1(79.62,62.49) v1(79.62,60.96) v1(79.87,50.68) v1(80.06,60.2) v1(80.13,69.35) v1(80.13,67.82) v1(80.13,66.3) v1(80.13,64.77) v1(80.13,63.25) v1(80.13,61.73) v1(80.2,70.05) v1(80.5,55.88) v1(80.62,68.58) v1(80.62,67.06) v1(80.62,65.54) v1(80.62,64.01) v1(80.62,62.49) v1(80.62,60.96) v1(81.06,60.2) v1(81.13,69.35) v1(81.13,67.82) v1(81.13,66.3) v1(81.13,64.77) v1(81.13,63.25) v1(81.13,61.73) v1(81.2,70.05) v1(81.62,68.58) v1(81.62,67.06) v1(81.62,65.54) v1(81.62,64.01) v1(81.62,62.49) v1(81.62,60.96) v1(82.06,60.2) v1(82.13,69.35) v1(82.13,67.82) v1(82.13,66.3) v1(82.13,64.77) v1(82.13,63.25) v1(82.13,61.73) v1(82.2,70.05) v1(82.53,47.25) v1(82.62,68.58) v1(82.62,67.06) v1(82.62,65.54) v1(82.62,64.01) v1(82.62,62.49) v1(82.62,60.96) v1(83.06,60.2) v1(83.13,69.35) v1(83.13,67.82) v1(83.13,66.3) v1(83.13,64.77) v1(83.13,63.25) v1(83.13,61.73) v1(83.2,70.05) v1(83.62,68.58) v1(83.62,67.06) v1(83.62,65.54) v1(83.62,64.01) v1(83.62,62.49) v1(83.62,60.96) v1(84.06,60.2) v1(84.13,69.35) v1(84.13,67.82) v1(84.13,66.3) v1(84.13,64.77) v1(84.13,63.25) v1(84.13,61.73) v1(84.2,70.05) v1(84.62,68.58) v1(84.62,67.06) v1(84.62,65.54) v1(84.62,64.01) v1(84.62,62.49) v1(84.62,60.96) v1(85.06,60.2) v1(85.13,69.35) v1(85.13,67.82) v1(85.13,66.3) v1(85.13,64.77) v1(85.13,63.25) v1(85.13,61.73) v1(85.2,70.05) v1(85.33,48.9) v1(85.57,68.58) v1(85.57,67.06) v1(85.57,65.54) v1(85.57,64.01) v1(85.57,62.49) v1(85.57,60.96) v1(86.08,69.35) v1(86.08,67.82) v1(86.08,66.3) v1(86.08,64.77) v1(86.08,63.25) v1(86.08,61.73) v1(86.01,60.2) v1(86.09,45.34) v1(86.2,70.05) v1(86.57,68.58) v1(86.57,67.06) v1(86.57,65.54) v1(86.57,64.01) v1(86.57,62.49) v1(86.57,60.96) v1(87.08,69.35) v1(87.08,67.82) v1(87.08,66.3) v1(87.08,64.77) v1(87.08,63.25) v1(87.08,61.73) v1(87.01,60.2) v1(87.2,70.05) v1(87.49,54.87) v1(87.57,68.58) v1(87.57,67.06) v1(87.57,65.54) v1(87.57,64.01) v1(87.57,62.49) v1(87.57,60.96) v1(88.08,69.35) v1(88.08,67.82) v1(88.08,66.3) v1(88.08,64.77) v1(88.08,63.25) v1(88.08,61.73) v1(88.01,60.2) v1(88.2,70.05) v1(88.57,68.58) v1(88.57,67.06) v1(88.57,65.54) v1(88.57,64.01) v1(88.57,62.49) v1(88.57,60.96) v1(89.08,69.35) v1(89.08,67.82) v1(89.08,66.3) v1(89.08,64.77) v1(89.08,63.25) v1(89.08,61.73) v1(89.01,60.2) v1(89.28,70.05) v1(89.57,68.58) v1(89.57,67.06) v1(89.57,65.54) v1(89.57,64.01) v1(89.57,62.49) v1(89.57,60.96) v1(90.08,69.35) v1(90.08,67.82) v1(90.08,66.3) v1(90.08,64.77) v1(90.08,63.25) v1(90.08,61.73) v1(90.01,60.2) v1(90.28,70.05) v1(90.57,68.58) v1(90.57,67.06) v1(90.57,65.54) v1(90.57,64.01) v1(90.57,62.49) v1(90.57,60.96) v1(91.08,69.35) v1(91.08,67.82) v1(91.08,66.3) v1(91.08,64.77) v1(91.08,63.25) v1(91.08,61.73) v1(91.01,60.2) v1(91.28,70.05) v1(91.57,68.58) v1(91.57,67.06) v1(91.57,65.54) v1(91.57,64.01) v1(91.57,62.49) v1(91.57,60.96) v1(92.08,69.35) v1(92.08,67.82) v1(92.08,66.3) v1(92.08,64.77) v1(92.08,63.25) v1(92.08,61.73) v1(92.01,60.2) v1(92.28,70.05) v1(92.57,68.58) v1(92.57,67.06) v1(92.57,65.54) v1(92.57,64.01) v1(92.57,62.49) v1(92.57,60.96) v1(92.69,51.31) v1(93.08,69.35) v1(93.08,67.82) v1(93.08,66.3) v1(93.08,64.77) v1(93.08,63.25) v1(93.08,61.73) v1(93.01,60.2) v1(93.08,43.18) v1(93.28,70.05) v1(94.28,70.05) v1(94.28,69.12) v1(94.28,68.12) v1(94.28,67.12) v1(94.28,66.12) v1(94.28,65.12) v1(94.28,64.12) v1(94.28,63.05) v1(94.28,62.05) v1(94.28,61.05) v1(94.28,60.05) v1(94.28,59.05) v1(94.28,58.05) v1(94.28,57.05) v1(94.28,56.05) v1(94.28,55.05) v1(94.28,54.05) v1(94.28,53.05) v1(94.28,49.05) v1(94.28,48.05) v1(94.28,47.05) v1(94.28,46.1) v1(94.28,45.1) v1(94.28,44.1) v1(94.28,43.1)